# KiCad board FrontEnd_5G.kicad_pcb (continued)
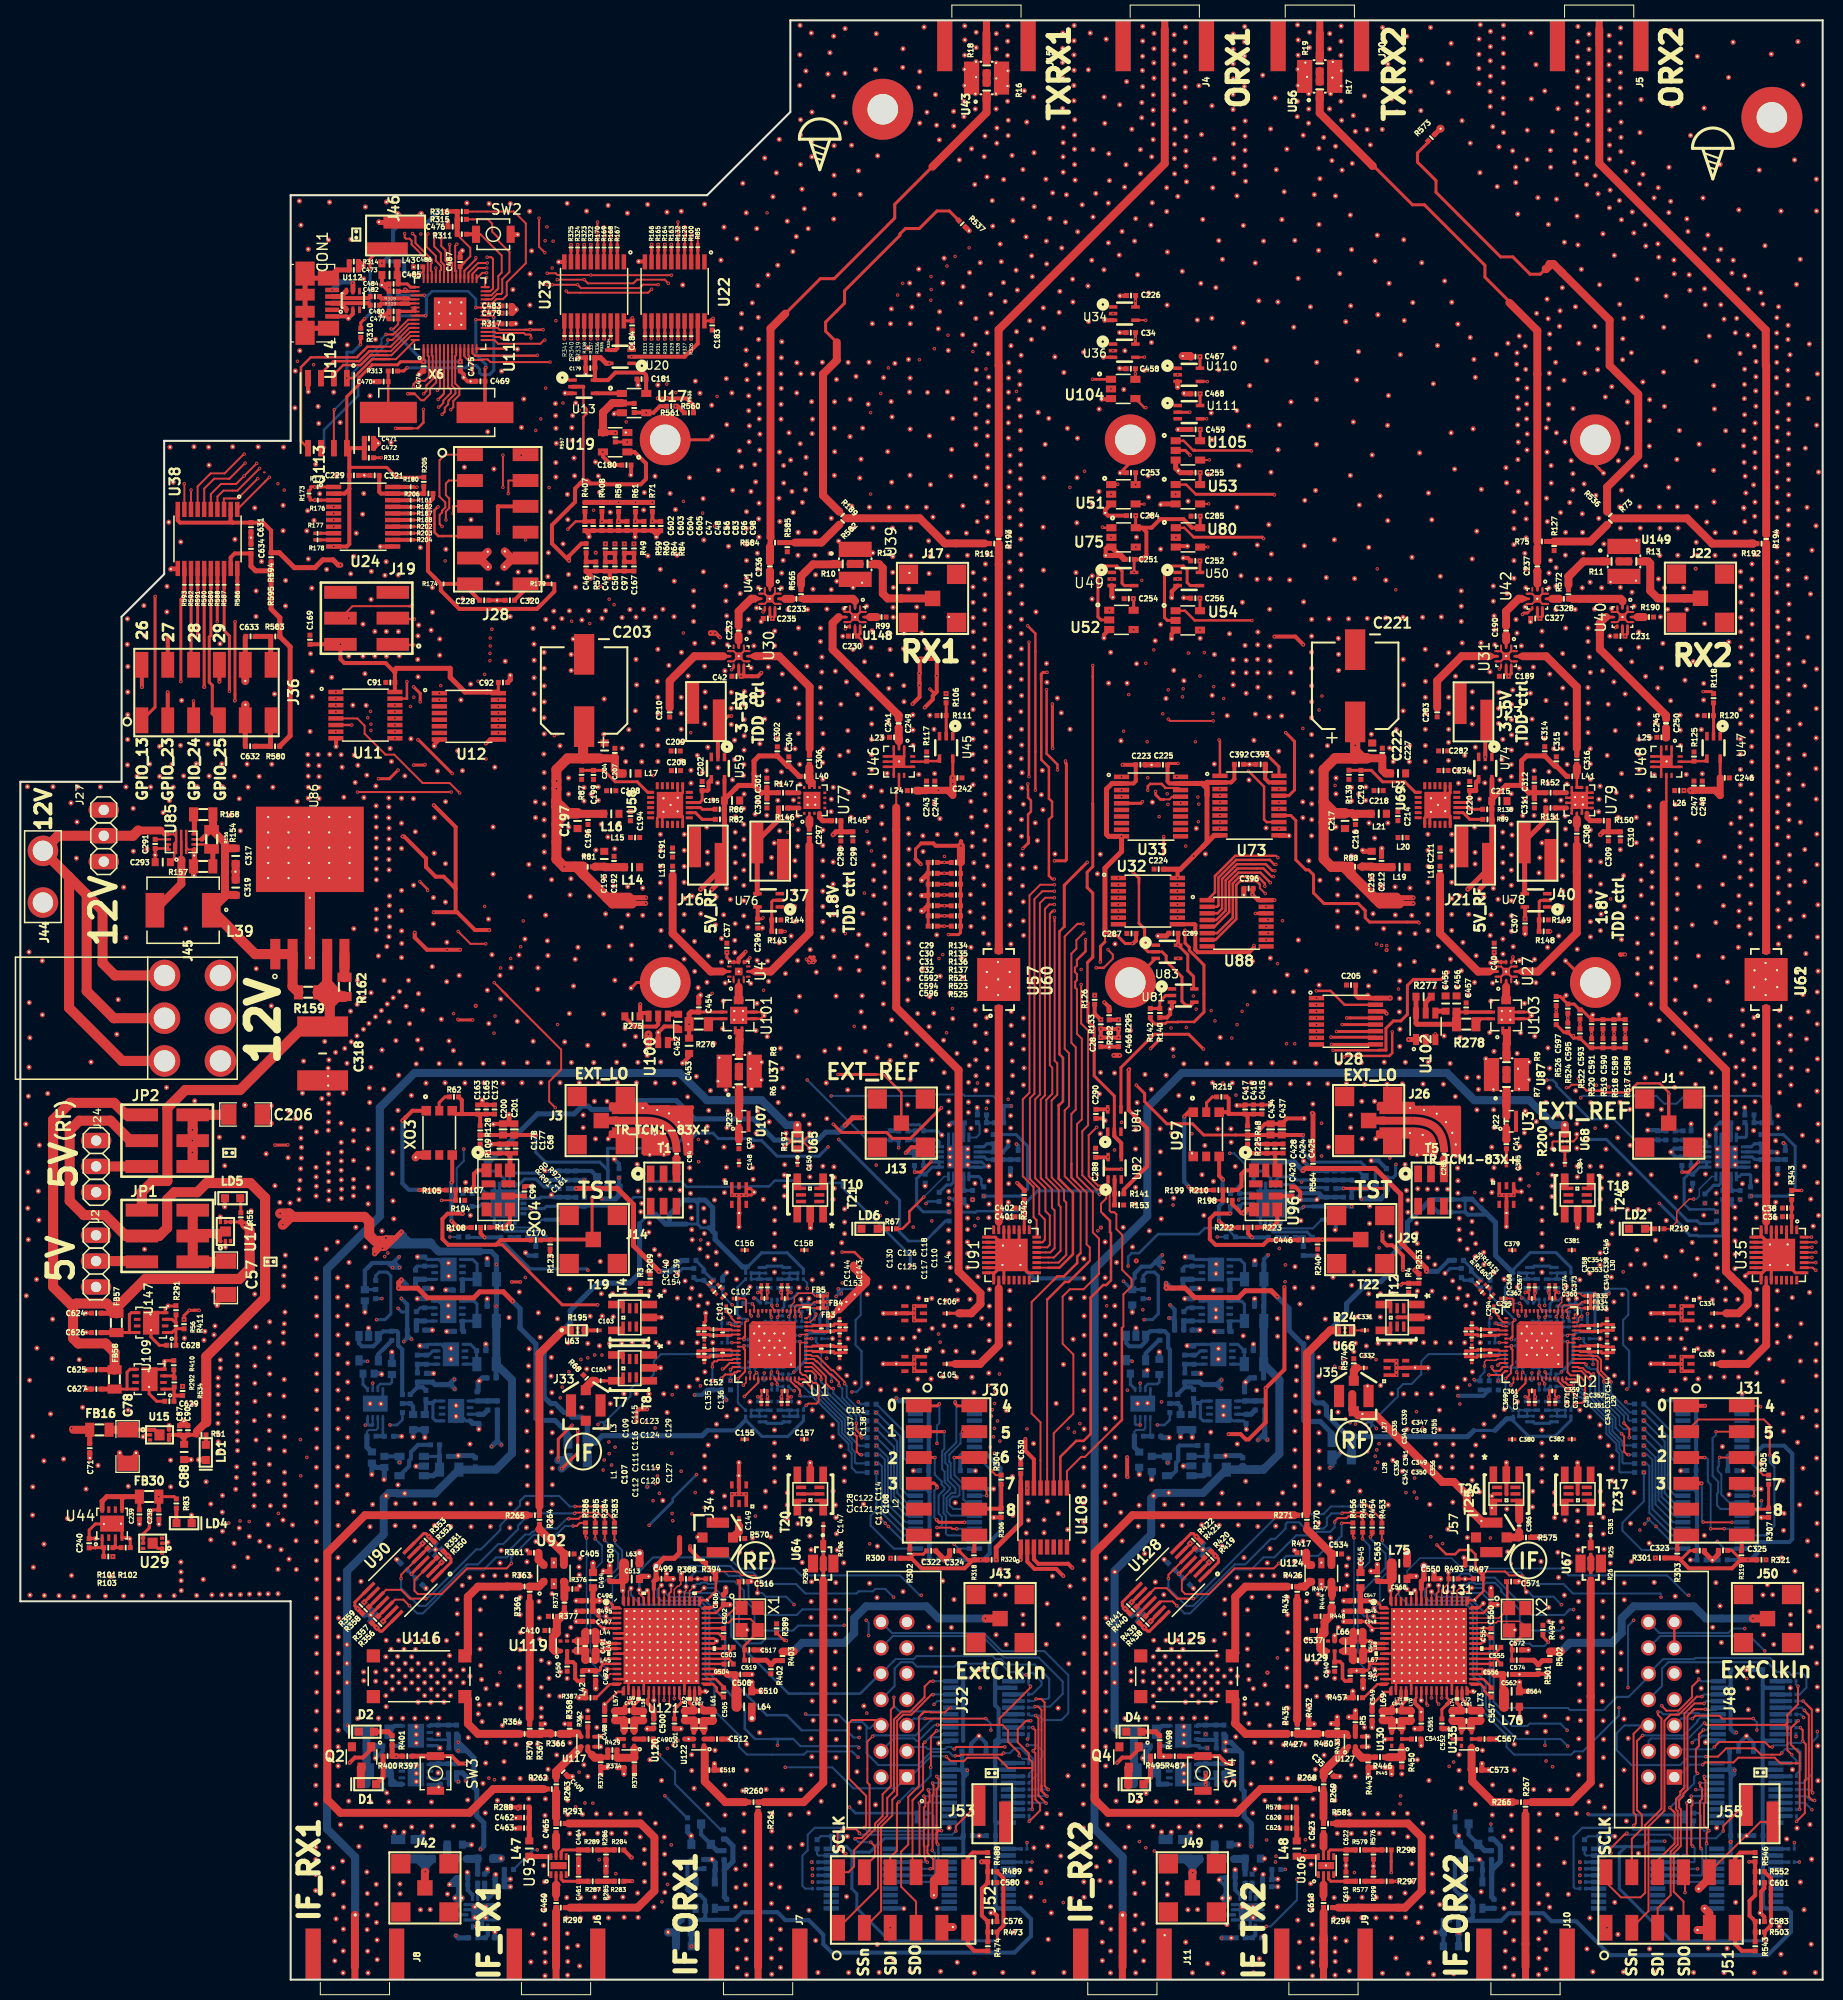
[diagram p0: board, top side]
## Routing (per net, layer and track width the routed paths; a pad name or vN(x,y) marks a point on that pad's centre or on a via; arc(x,y) is an arc through that point) (continued)
/Clocks/VCXO_OUT: length 90.4
  F.RO w0.25: v2(82.75,70.76) 82,71.51 v2(80.78,71.51)
  F.RO w0.3: v2(55.79,69.73) 55.78,69.74 55.77,69.74
  F.RO w0.4: v2(121.07,72.95) 120.68,73.34 R222.2 ; v2(45.63,72.95) 45.24,73.34 R110.2
  F.FR4 w0.2: 64.4,71.1 66.86,71.1 67.46,71.7
  F.FR4 w0.25: v2(80.78,71.51) 80.68,71.51 80.13,72.06 78.86,72.06 78.26,71.46 70.74,71.46 70.08,72.12 68.24,72.12 ; v2(82.75,70.76) 89.27,70.76 90.62,69.41 93.54,69.41 93.84,69.71 94.31,69.71 95.86,71.26 103.45,71.26 103.72,71.53 105.65,71.53 107.44,69.74 108.5,69.74 v2(108.9,70.14)
  F.FR4 w0.3: 64.4,71.1 63.18,72.32 62.1,72.32 61.45,71.67 61.26,71.67 59.32,69.73 v2(55.79,69.73) ; 67.46,71.7 67.82,71.7 68.24,72.12
  B2.RO w0.25: R228.1 118.57,73.87 116.44,73.87 115.85,73.28 111.84,73.28 109.97,71.41 109.24,71.41 108.9,71.07 v2(108.9,70.14)
  B2.RO w0.3: R228.1 119.49,72.95 v2(121.07,72.95) ; v2(45.63,72.95) 44.05,72.95 R80.1 ; v2(55.79,69.73) 55.66,69.86 50.12,69.86 47.24,72.74 C100.2
  B2.RO w0.4: v2(121.07,72.95) 122.7,72.95 ; C100.2 v2(45.63,72.95)
/Clocks/VCXO_PWR_FILTER: length 119.4
  F.RO w0.3: v2(109.7,87.92) 110.52,87.1 110.52,86.31 112.71,84.12 115.23,84.12 116.33,83.02 R48.1 ; 90.54,85.69 v2(90.55,85.69) 90.51,85.69 87.51,82.69 85.73,82.69 85.15,83.27 80.73,83.27 v2(79.92,84.08)
  F.RO w0.4: v2(50.67,83.03) 50.66,83.02 C201.1 C200.1 47.45,83.02 R128.1 ; R48.1 122.9,83.02 122.91,83.03 123.99,83.03 124,83.02 v2(126.1,83.02)
  F.FR4 w0.25: 95.42,88.97 94.83,88.97 94.25,89.55 93.83,89.55 93.22,88.94 92.94,88.94
  F.FR4 w0.3: 95.42,88.97 95.9,89.45 97.97,89.45 98.57,88.85 103.53,88.85 104.64,87.74 106.44,87.74 107.32,86.86 109.03,86.86 109.7,87.53 v2(109.7,87.92) ; 92.94,88.94 91.87,87.87 91.87,87.46 91.43,87.02 90.85,87.02 90.85,86.9 90.55,86.6 v2(90.55,85.69)
  B.FR4 w0.3: v2(79.4,81.84) 79.92,82.36 v2(79.92,84.08)
  B2.RO w0.3: v2(126.1,83.02) 126.1,81.33 127.07,80.36 131.77,80.36 132.37,79.76 133,79.76 133.19,79.57 133.2,79.57 133.2,77.83 ; FB52.2 133.2,77.83 C436.1 132,77.69 R235.2 ; C160.1 56.7,77.83 FB29.2 ; v2(50.67,83.03) 50.67,81.32 51.63,80.36 56.96,80.36 57.76,79.56 FB29.2 ; v2(79.4,81.84) 78.5,80.94 74.4,80.94 72.85,82.49 72.08,82.49 71.9,82.67 68.62,82.67 68.09,83.2 66.53,83.2 66.01,82.68 65.1,82.68 64.13,81.71 57.73,81.71 57.73,80.56 57.76,80.52 FB29.2
  B2.RO w0.4: R235.2 130.88,76.91 R236.2 ; R115.2 55.43,77.68 R116.2 55.58,77.83 C160.1
/DATA1: length 124.9
  F.RO w0.4: v2(98.8,53.14) 98.8,51.98 99.64,51.15 U108.14 ; v1(45.76,121.5) 46.15,121.9 U12.9 ; v1(44.77,95.72) 44.76,95.72
  F.FR4 w0.3: 65.84,92.94 65.84,92.97 64.93,92.97 63.65,94.25 59.73,94.25 58.26,95.72 58.08,95.72
  F.FR4 w0.4: 65.84,92.94 66.06,92.72 70.71,92.72 72.11,94.12 72.63,94.12 73.05,93.7 v1(81.97,93.7) ; v2(90.42,62.66) 93.91,62.66 94.71,61.86 97.23,61.86 100.2,58.89 100.2,54.54 v2(98.8,53.14) ; 58.08,95.72 v1(44.77,95.72)
  B.FR4 w0.3: 82.04,81.02 82.04,80.46
  B.FR4 w0.4: v1(81.97,93.7) 82.04,93.63 82.04,81.02 ; v1(45.76,121.5) 44.76,120.5 44.76,104.93 45.03,104.66 45.03,101.19 45.17,101.05 45.17,97.54 44.76,97.13 44.76,95.73 v1(44.77,95.72) ; 82.04,80.46 83.6,78.9 83.6,72.95 88.98,67.57 88.98,66.64 89.01,66.61 89.01,63.38 89.73,62.66 v2(90.42,62.66)
/DATA2: length 82.3
  F.RO w0.2: U108.9 102.89,49.99 104.28,51.38 104.65,51.38 107.33,54.06 ; 108.28,64.06 108.43,64.2 108.43,67.35 109.23,68.15 109.23,68.85 108.31,69.77 108.31,73.2 107.74,73.77 107.74,75.23 107.54,75.43 107.23,75.43 107.08,75.58 107.08,77.63 106.81,77.9 106.55,77.9 106.4,78.05 105.94,78.05 105.02,78.97 105.02,83 v2(105.8,83.78)
  F.RO w0.25: 107.33,54.06 108.28,55.02 108.28,64.06 ; v1(134.86,93.16) 134.86,91.08 134.57,90.79 130.23,90.79 130.13,90.69 v1(130.14,90.69)
  F.RO w0.3: v2(108.25,84.27) 108.25,84.26
  F.RO w0.4: v1(134.31,94.95) 134.09,95.18 U28.14
  F.FR4 w0.3: 114.1,90.74 114.12,90.76 127.34,90.76 127.41,90.69 v1(130.14,90.69) ; 114.1,90.74 117.19,90.74 ; 114.1,90.74 114.09,90.75 v2(113.36,90.75) ; v2(108.25,84.27) 107.77,83.78 v2(105.8,83.78)
  B.FR4 w0.25: v1(134.31,94.95) 134.83,94.43 134.83,93.19 v1(134.86,93.16)
  B.FR4 w0.3: v2(113.36,90.75) 108.98,86.37 108.98,85.16 108.25,84.44 v2(108.25,84.27)
/LMS8001_RF/BP_AMP1_3V3: length 89.3
  F.RO w0.4: v2(60.15,9.69) 59.34,9.69 R283.2 ; 98.97,48.31 v2(98.99,48.32) 98.99,48.34 ; v2(100.67,7.73) 100.68,7.73
  F.FR4 w0.3: 74.97,8.38 74.97,8.32
  F.FR4 w0.4: v2(63.07,7.65) 65.02,7.65 65.75,8.38 74.58,8.38 ; 74.58,8.38 74.59,8.38 ; 74.58,8.38 74.97,8.38 ; 74.97,8.32 75.56,7.73 78.8,7.73 79.57,6.96 82.17,6.96 82.94,7.73 ; 92.84,7.6 92.84,7.73 97.32,7.73 97.93,7.12 100.06,7.12 v2(100.67,7.73)
  F.FR4 w0.5: 82.94,7.73 88.05,7.73 89.8,5.98 91.22,5.98 92.84,7.6
  B.FR4 w0.4: v2(63.07,7.65) 62.78,7.94 62.13,7.94 60.87,9.2 60.64,9.2 v2(60.15,9.69) ; v2(98.99,48.32) 99.81,47.5 99.81,40.32 101.59,38.54 101.59,35.91 101.14,35.46 101.14,34.06 101.59,33.61 101.59,27.83 101.36,27.6 101.36,25.7 101.59,25.47 101.59,19.7 101.59,19.88 101.59,19.37 102.1,18.86 102.1,17.37 101.6,16.87 101.6,16.86 101.59,16.85 101.59,14.77 101.96,14.4 101.96,12.97 101.59,12.6 101.59,10.36 101.48,10.25 101.48,8.54 v2(100.67,7.73)
  B2.RO w0.4: v2(98.99,48.32) 98.98,48.32
/LMS8001_RF/BP_AMP2_3V3: length 80.4
  F.RO w0.2: R297.2 v2(135.28,9.67)
  F.RO w0.3: R297.2 v2(135.28,9.67)
  F.RO w0.4: v2(102.53,39.67) 101.83,40.37 99.7,40.37 98.99,41.09 U108.2
  F.FR4 w0.4: v2(102.52,7.58) 103.74,6.36 107.33,6.36 108.02,7.05 110.18,7.05 111.09,6.14 113.86,6.14 117.07,2.93 123.87,2.93 125.68,4.74 128.77,4.74 129.13,5.1 134.88,5.1 135.47,5.69 135.47,6.61 135.28,6.8 v2(135.28,9.67)
  B.FR4 w0.4: v2(102.52,7.58) 102.53,7.59 102.53,8.71 102.74,8.92 102.74,11.38 102.92,11.56 102.92,12.67 102.74,12.85 102.74,15.72 102.93,15.91 102.93,16.6 102.74,16.79 102.74,19.08 102.37,19.45 102.37,21.18 102.74,21.55 102.74,30.19 102.37,30.56 102.37,31.49 102.74,31.86 102.74,37.84 102.53,38.05 v2(102.53,39.67)
/LMS8001_RF/IN_A2_#1: length 1.3
  F.RO w0.3: L3.2 67.18,63.99 C115.2 67.73,64.04 C123.1
/LMS8001_RF/IN_A2_#2: length 1.3
  F.RO w0.3: L27.2 C335.1 142.74,64.04 143.18,64.04 C347.1
/LMS8001_RF/IN_A3_#1: length 1.3
  F.RO w0.3: L3.1 67.18,63.44 C116.1 67.78,63.39 C124.1
/LMS8001_RF/IN_A3_#2: length 1.3
  F.RO w0.3: C348.1 143.22,63.39 142.72,63.39 C335.2 L27.1
/LMS8001_RF/IN_B1_#1: length 1.3
  F.RO w0.3: T8.4 58.6,58.86 57.32,58.86
  F.RO w0.4: 58.6,58.86 T8.4
/LMS8001_RF/IN_B2_#1: length 1.3
  F.RO w0.3: L1.2 67.18,61.79 C111.2 67.78,61.84 C119.1
/LMS8001_RF/IN_B2_#2: length 1.3
  F.RO w0.3: C349.1 143.24,61.84 142.74,61.84 142.68,61.78 142.08,61.78
/LMS8001_RF/IN_B3_#1: length 1.3
  F.RO w0.3: L1.1 67.18,61.24 C112.1 67.73,61.19 C120.1
/LMS8001_RF/IN_B3_#2: length 1.3
  F.RO w0.3: C350.1 143.19,61.19 142.72,61.19 C336.2 L28.1
/LMS8001_RF/IN_C2_#1: length 1.3
  F.RO w0.3: 81.14,61.64 80.59,61.64 80.54,61.59 80.04,61.59 79.91,61.71
/LMS8001_RF/IN_C2_#2: length 1.3
  F.RO w0.3: C351.1 155.49,61.59 155.94,61.59 155.98,61.64 156.59,61.64
/LMS8001_RF/IN_C3_#1: length 1.3
  F.RO w0.3: 81.14,62.19 80.59,62.19 C114.1 79.99,62.24 C122.1
/LMS8001_RF/IN_C3_#2: length 1.3
  F.RO w0.3: C352.1 155.43,62.24 155.93,62.24 C337.2 L29.1
/LMS8001_RF/IN_D2_#1: length 1.3
  F.RO w0.3: 79.91,63.71 79.99,63.79 80.54,63.79 80.59,63.84 L4.2
/LMS8001_RF/IN_D2_#2: length 1.3
  F.RO w0.3: C353.1 155.44,63.79 155.94,63.79 C338.1 L30.2
/LMS8001_RF/IN_D3_#1: length 1.3
  F.RO w0.3: C126.1 80.04,64.44 C118.1 ; L4.1 C110.2
/LMS8001_RF/IN_D3_#2: length 1.3
  F.RO w0.3: C354.1 155.49,64.44 155.93,64.44 C338.2 L30.1
/LMS8001_RF/OUT_A4_#1: length 2.9
  F.RO w0.15: U1.51 U1.51
  F.RO w0.2: C154.1 73.41,67.48 73.47,67.54 73.49,67.54 v2(73.49,67.55) ; C154.1 73.41,67.47 v2(73.49,67.55) ; C154.1 73.41,67.74 C139.1 73.44,67.6 v2(73.49,67.55)
  B2.RO w0.2: v2(73.49,67.55) 73.49,67.87 L7.2
/LMS8001_RF/OUT_A4_#2: length 2.3
  F.RO w0.2: v2(148.91,67.47) 148.88,67.5 148.86,67.49 C362.1 148.86,67.75 C367.1 148.88,67.5 v2(148.91,67.47)
  B2.RO w0.2: v2(148.91,67.47) 149.06,67.62 L31.2
/LMS8001_RF/OUT_A5_#1: length 1.5
  F.RO w0.15: U1.52 U1.52
  F.RO w0.2: C154.2 72.86,67.46 72.78,67.54 v2(72.49,67.54)
  B2.RO w0.2: 72.64,67.98 72.64,67.7 72.48,67.53
/LMS8001_RF/OUT_A5_#2: length 1.5
  F.RO w0.2: v2(147.93,67.54) 148.23,67.54 148.31,67.46 C362.2
  B2.RO w0.2: v2(147.93,67.54) 148.1,67.71 L35.2
/LMS8001_RF/OUT_B1_#2: length 1.6
  F.RO w0.4: 147.34,46.45 T26.4 ; C386.1 147.34,45.17
  F.RO w0.79: T26.4 147.34,46.45 147.34,45.17
/LMS8001_RF/OUT_B4_#1: length 1.8
  F.RO w0.2: 72.75,57.28 72.85,57.39 ; 72.75,57.28 v2(72.48,57.28) 72.75,57.28 ; 72.75,57.28 72.85,57.39 ; 72.85,57.39 C152.1
  B2.RO w0.2: 72.48,57.27 72.66,57.09 72.66,56.82
/LMS8001_RF/OUT_B4_#2: length 1.4
  F.RO w0.2: v2(147.93,57.29) 148.2,57.29 148.31,57.4 C361.1
  B2.RO w0.2: v2(147.93,57.29) 148.12,57.1 L32.2
/LMS8001_RF/OUT_B5_#1: length 3
  F.RO w0.2: 73.4,57.35 73.47,57.28 73.4,57.35 ; 73.4,57.35 C152.2 ; 73.4,57.35 73.45,57.3 v2(73.45,57.3) ; 73.4,57.35 C152.2 ; 73.4,57.35 v2(73.45,57.3) ; C152.2 73.43,57.85 C136.1 73.43,57.28 v2(73.45,57.3)
  B2.RO w0.2: v2(73.45,57.3) 73.45,57 L9.2
/LMS8001_RF/OUT_B5_#2: length 2.9
  F.RO w0.2: 148.92,57.28 148.86,57.34 ; 148.92,57.28 v2(148.93,57.28) ; 148.92,57.28 148.86,57.34 ; 148.86,57.34 C361.2 ; C361.2 148.86,57.36 v2(148.93,57.28) ; C361.2 148.88,57.86 C370.1 148.88,57.23 v2(148.93,57.28)
  B2.RO w0.2: v2(148.93,57.28) 148.93,56.97 L36.2
/LMS8001_RF/OUT_C4_#1: length 3
  F.RO w0.2: 74.86,57.34 74.8,57.28 74.86,57.34 ; 74.86,57.34 C151.1 ; 74.86,57.34 74.81,57.3 v2(74.8,57.3) ; C151.1 74.86,57.36 v2(74.8,57.3) ; C151.1 74.88,57.85 74.88,57.1 C137.1 74.8,57.09 v2(74.8,57.3)
  B2.RO w0.2: v2(74.8,57.3) 74.8,56.98 L6.2
/LMS8001_RF/OUT_C4_#2: length 2.9
  F.RO w0.2: 150.26,57.29 150.31,57.34 ; 150.26,57.29 v2(150.22,57.29) ; 150.26,57.29 150.31,57.34 ; 150.31,57.34 C359.1 ; C359.1 150.31,57.38 v2(150.22,57.29) ; C359.1 150.28,57.84 C371.1 150.28,57.23 v2(150.22,57.29)
  B2.RO w0.2: v2(150.22,57.29) 150.22,56.95 L33.2
/LMS8001_RF/OUT_C5_#1: length 1.8
  F.RO w0.2: C151.2 75.41,57.37 ; 75.41,57.37 75.49,57.28 ; 75.41,57.37 75.49,57.28 ; 75.49,57.28 v2(75.78,57.28) 75.49,57.28
  B2.RO w0.2: 75.77,57.27 75.61,57.11 75.61,56.82
/LMS8001_RF/OUT_C5_#2: length 1.4
  F.RO w0.2: v2(151.23,57.29) 150.94,57.29 150.86,57.38 C359.2
  B2.RO w0.2: v2(151.23,57.29) 151.06,57.12 L37.2
/LMS8001_RF/OUT_D4_#1: length 1.5
  F.RO w0.15: U1.46 U1.46
  F.RO w0.2: C153.1 75.41,67.43 75.52,67.54 v2(75.76,67.54)
  B2.RO w0.2: 75.75,67.53 75.59,67.71 75.59,67.98
/LMS8001_RF/OUT_D4_#2: length 1.4
  F.RO w0.2: v2(151.23,67.54) 150.97,67.54 150.87,67.44 C360.1
  B2.RO w0.2: v2(151.23,67.54) 151.05,67.72 L34.2
/LMS8001_RF/OUT_D5_#1: length 2.9
  F.RO w0.2: C153.2 74.86,67.48 74.8,67.54 74.75,67.54 v2(74.75,67.53) ; C153.2 74.86,67.42 v2(74.75,67.53) ; C153.2 74.86,67.74 C144.1 74.83,67.61 v2(74.75,67.53)
  B2.RO w0.2: v2(74.75,67.53) 74.65,67.63 L12.2
/LMS8001_RF/OUT_D5_#2: length 1.8
  F.RO w0.2: v2(150.25,67.5) 150.27,67.52 150.31,67.48 C360.2 150.31,67.44 v2(150.25,67.5)
  B2.RO w0.2: v2(150.25,67.5) 150.09,67.66 L38.2
/LMS8001_RF/SD_AMP1_3V3: length 80.5
  F.RO w0.4: v2(60.1,12.01) 60.06,12.01 R284.2 ; v2(98.32,41.26) 98.34,41.28 U108.1 ; v2(100.35,9.5) 100.35,9.49
  F.FR4 w0.4: 100.36,9.51 v2(100.35,9.5) 99.73,8.88 91.06,8.88 90.49,9.45 89.1,9.45 88.53,8.88 76.02,8.88 74.75,10.15 70.06,10.15 69.27,9.36 v2(63.62,9.36)
  B.FR4 w0.4: v2(63.62,9.36) 63.1,9.36 62.03,10.43 61.1,10.43 60.1,11.43 v2(60.1,12.01) ; v2(98.32,41.26) 98.32,40.63 99,39.95 99,36.79 100.05,35.74 100.05,32.41 100.79,31.67 100.79,24.26 100.4,23.87 100.4,18.92 98.41,16.93 98.41,15.12 100.35,13.18 100.35,11.4 100.04,11.09 100.04,9.81 v2(100.35,9.5)
/LMS8001_RF/SD_AMP2_3V3: length 75.2
  F.RO w0.3: v2(134.76,10.53) R298.2
  F.RO w0.4: v2(103.41,40.47) 103,40.88 100.06,40.88 99.64,41.31 U108.3
  F.FR4 w0.3: 121.38,7.85 120.44,8.79 116.69,8.79 115.45,7.55
  F.FR4 w0.4: 115.45,7.55 112.26,7.55 112.01,7.8 108.44,7.8 108.12,8.12 106.14,8.12 105.4,7.39 104.02,7.39 v2(103.39,8.02) ; v2(134.76,10.53) 134.76,10.27 134.35,9.86 134.35,9.16 134.04,8.85 127.56,8.85 127.41,8.7 126.65,8.7 125.8,7.85 121.38,7.85
  B.FR4 w0.4: 103.65,20.53 103.65,8.28 v2(103.39,8.02) ; 103.65,20.53 103.64,20.54 ; 103.65,20.53 103.65,30.47 103.75,30.57 103.75,37.89 103.86,38 103.86,40.02 v2(103.41,40.47)
/LMS8001_RF/sheet6298A0DD/RF_IN: length 10.2
  F.RO w0.3: 128.12,5.38 128.11,5.39 C618.2
  F.RO w0.79: 128.1,3.77 128.11,3.78 128.11,4.04 ; 128.11,4.04 128.11,6.61 ; 128.11,4.04 128.11,1.28 J9.1 ; 128.11,4.31 128.11,1.48 128.1,1.47
/LMS8001_RF/sheet6298A0DD/RF_OUT: length 3.4
  F.RO w0.5: R268.1 128.1,18.71 128.1,18.36 ; C623.1 128.1,15.92
  F.RO w0.79: 128.1,18.36 128.1,15.92
/LMS8001_RF/sheet62981941/RF_IN: length 12.1
  F.RO w0.5: J6.1 52.67,1.28 C460.2 ; C460.2 52.66,6.84 52.67,6.85 C460.2 ; C460.2 52.67,6.69 52.66,6.68
  F.RO w0.79: J6.1 52.66,6.68
/LMS8001_RF/sheet62981941/RF_OUT: length 3.4
  F.RO w0.5: C465.1 52.69,15.38 52.69,15.93 ; R262.1 52.69,18.39
  F.RO w0.79: 52.69,15.93 52.66,15.96 52.66,18.36 52.69,18.39
/LMS98001_GPIO/CORE_LDO_EN_#1: length 18
  F.RO w0.2: v2(71.86,65.23) 71.73,65.36 U1.55
  F.RO w0.4: v2(61.5,68.39) 61.5,68.39 ; v2(61.5,68.39) 61.85,68.39 R209.1 R3.2 61.44,68.45 v2(61.5,68.39)
  F.FR4 w0.2: 71.85,65.22 71.55,65.53 69.75,65.53 65.97,69.31 65.23,69.31 65.23,69.29 64.31,68.38
  F.FR4 w0.25: v2(61.5,68.39) 60.88,67.77 60.88,67.39 61.26,67.01 63.61,67.01 64.32,67.72 64.32,68.39
/LMS98001_GPIO/CORE_LDO_EN_#2: length 17.5
  F.RO w0.2: v2(147.31,65.23) 147.18,65.36 U2.55
  F.RO w0.3: 135.73,68.3 v2(135.72,68.29) 135.88,68.45 R4.2 136.53,68.39 137.43,68.39 R253.1
  F.RO w0.4: R253.1 R4.2
  F.FR4 w0.2: v2(147.31,65.23) 147,65.54 145.21,65.54 141.43,69.32 140.69,69.32 139.61,68.24 137.28,68.24 137.11,68.41 136.72,68.41 136.77,68.41 136.29,68.41 136.17,68.29 v2(135.72,68.29)
/LMS98001_GPIO/GPIO0_#1_OUT: length 20.4
  F.RO w0.15: J30.1 89.83,56.4
  F.RO w0.3: v2(90.34,56.6) 90.14,56.4 J30.1
  B.FR4 w0.2: v2(91.79,42.8) 91.79,42.81 90.89,43.71 90.89,51.35 90.1,52.14 v2(90.1,52.71)
  B2.RO w0.2: U25.20 92.22,42.37 v2(91.79,42.8) ; v2(90.34,56.6) 90.34,54.7 90.1,54.46 v2(90.1,52.71)
/LMS98001_GPIO/GPIO0_#2_OUT: length 18.8
  F.RO w0.2: v2(166.81,43.07) 166.81,43.06
  F.RO w0.4: J31.1 v2(165.61,56.4)
  B.FR4 w0.2: 165.84,56.4 166.1,56.14 166.1,53.51 166.4,53.21 166.4,50.68 166.81,50.27 v2(166.81,43.07)
  B.FR4 w0.4: v2(165.61,56.4) 165.84,56.4 165.98,56.26
  B2.RO w0.2: 166.79,43.07 v2(166.81,43.07) 167.52,42.37 U71.20
/LMS98001_GPIO/GPIO1_#1_OUT: length 16.1
  F.RO w0.3: J30.2 v2(90.82,53.86)
  B2.RO w0.2: v2(90.82,53.86) 90.82,52.16 90.62,51.96 90.62,50.16 90.86,49.92 90.86,48.89 91.36,48.39 91.36,48.19 90.75,47.58 90.75,45.85 90.99,45.61 90.99,43.84 91.16,43.67 U25.18
/LMS98001_GPIO/GPIO1_#2_OUT: length 23.2
  F.RO w0.2: v2(171.97,51.57) 171.97,54.48 171.39,55.06 164.96,55.06 J31.2
  B2.RO w0.2: 172.43,50.4 172.43,44.62 171.47,43.67 U71.18 ; 172.43,50.4 171.97,50.86 ; 172.43,50.4 171.97,50.86 ; 171.97,50.86 v2(171.97,51.57)
/LMS98001_GPIO/GPIO2_#1_OUT: length 13.3
  F.RO w0.2: v2(90.1,44.44) 90.11,44.43 91.48,44.43 91.6,44.31 92.04,44.31
  F.RO w0.3: 92.04,44.31 v2(92.05,44.32) ; J30.3 v2(89.9,51.32)
  B2.RO w0.2: v2(89.9,51.32) 89.89,51.31 89.89,49.64 90.56,48.97 90.56,48.68 90.84,48.4 90.84,48.18 90.27,47.61 90.27,45.82 90.6,45.49 90.6,44.67 90.37,44.44 v2(90.1,44.44) ; v2(92.05,44.32) 92.06,44.31 U25.17
/LMS98001_GPIO/GPIO2_#2_OUT: length 13.9
  F.RO w0.2: v2(167.49,44.32) v2(166.16,44.32) ; v2(165.56,51.32) 165.56,51.31 ; J31.3 165.33,51.32
  F.RO w0.3: J31.3 163.73,51.35 J31.3 ; J31.3 v2(165.56,51.32)
  B2.RO w0.2: v2(167.49,44.32) 167.5,44.31 U71.17 ; v2(166.16,44.32) 166.16,48.67 165.88,48.95 165.88,51.16 165.72,51.32 v2(165.56,51.32)
/LMS98001_GPIO/GPIO3_#1_OUT: length 11.2
  F.RO w0.2: 89.82,48.78 89.83,48.77
  F.RO w0.3: v2(92.81,44.95) 90.31,44.95 v2(90.06,45.2) ; 89.82,48.78 J30.4 88.13,48.8 89.83,48.8 90.11,48.52 v2(90.11,48.35)
  B2.RO w0.2: v2(92.81,44.95) 92.83,44.97 93.79,44.97 ; v2(90.11,48.35) 89.85,48.09 89.85,45.41 v2(90.06,45.2)
/LMS98001_GPIO/GPIO3_#2_OUT: length 9.2
  F.RO w0.2: v2(165.42,44.98) 165.45,44.95 v2(168.25,44.95)
  F.RO w0.4: J31.4 v2(165.26,48.78)
  B2.RO w0.2: v2(168.25,44.95) 168.27,44.97 169.23,44.97 ; v2(165.26,48.78) 165.29,48.75 165.29,45.11 v2(165.42,44.98)
/LMS98001_GPIO/GPIO4_#1_OUT: length 17.3
  F.RO w0.3: v2(91.89,56.79) 91.89,56.61 92.1,56.4 J30.7
  B2.RO w0.2: U25.15 91.46,45.62 91.05,46.02 91.05,47.35 91.55,47.85 91.92,47.85 91.92,48.31 91.16,49.07 91.16,50.55 90.92,50.79 90.92,51.71 92,52.79 92,56.68 v2(91.89,56.79)
/LMS98001_GPIO/GPIO4_#2_OUT: length 15.4
  F.RO w0.2: 169.2,56.38 J31.7 170.97,56.4 v2(171.06,56.31)
  B.FR4 w0.2: v2(171.06,56.31) 171.38,55.99 171.38,54.52 172.63,53.27 172.63,48.22 171.48,47.07 v2(171.15,47.07)
  B2.RO w0.2: U71.15 170.17,45.62 171.15,46.6 v2(171.15,47.07)
/LMS98001_GPIO/GPIO5_#1_OUT: length 12.7
  F.RO w0.2: v2(92.62,53.85) 92.63,53.86 J30.8
  B2.RO w0.2: U25.14 91.69,46.27 91.35,46.61 91.35,47.19 91.64,47.48 92.16,47.48 92.32,47.64 92.32,48.48 91.46,49.34 91.46,50.76 91.31,50.91 91.31,51.6 92.42,52.71 92.42,53.65 v2(92.62,53.85)
/LMS98001_GPIO/GPIO5_#2_OUT: length 12.8
  F.RO w0.2: J31.8 166.7,53.86 v2(166.69,53.85)
  B2.RO w0.2: v2(166.69,53.85) 166.69,53.56 166.35,53.22 166.35,49.51 166.9,48.96 166.9,47.87 166.79,47.76 166.79,46.62 167.15,46.27 U71.14
/LMS98001_GPIO/GPIO6_#1_OUT: length 7.7
  F.RO w0.3: J30.9 v2(91.81,51.32)
  B2.RO w0.2: v2(91.81,51.32) 91.82,51.33 91.82,49.6 92.7,48.72 92.7,47.21 93,46.92 U25.13
/LMS98001_GPIO/GPIO6_#2_OUT: length 8.7
  F.RO w0.2: 168.95,51.32 J31.9 167.06,51.32 v2(167.05,51.33)
  B2.RO w0.2: v2(167.05,51.33) 166.96,51.24 166.96,50.46 166.85,50.35 166.85,50.01 167.2,49.66 167.2,47.69 167.97,46.92 U71.13
/LMS98001_GPIO/GPIO7_#1_OUT: length 3.2
  F.RO w0.2: v2(94.99,47.57) 94.98,47.58 94.98,48.05 94.25,48.78 J30.10
  B2.RO w0.2: v2(94.99,47.57) 94.99,47.56 93.79,47.56
/LMS98001_GPIO/GPIO7_#2_OUT: length 3.2
  F.RO w0.2: J31.10 169.69,48.78 170.42,48.05 v2(170.42,47.57)
  B2.RO w0.2: v2(170.42,47.57) 169.24,47.57 169.23,47.56
  B2.RO w0.4: 169.23,47.56 169.24,47.56
/LMS98001_GPIO/GPIO8_#1: length 7.7
  B2.RO w0.2: U70.1 87.09,51.06 86.85,51.29 86.85,53.87 84.16,56.56 R212.1
/LMS98001_GPIO/GPIO8_#1_OUT: length 3.2
  F.RO w0.2: v2(95.45,50.03) 95.89,49.59 R304.2
  B2.RO w0.2: v2(95.45,50.03) 94.43,51.06 U70.20
/LMS98001_GPIO/GPIO8_#2: length 8.4
  B2.RO w0.2: 162.69,51.06 U72.1 162.53,51.06 162.29,51.29 162.29,53.88 R256.1
/LMS98001_GPIO/GPIO8_#2_OUT: length 3.2
  F.RO w0.2: v2(170.89,50.03) 171.33,49.59 R305.2
  B2.RO w0.2: v2(170.89,50.03) 169.87,51.06 U72.20
/LMS98001_GPIO/LMS_GPIO0_#1: length 14.4
  F.RO w0.2: 75.73,59.01 75.73,58.81 76.23,58.31 76.21,58.33 76.26,58.33 76.58,58.01 76.58,57.96 76.64,57.9 v2(76.64,57.42)
  B2.RO w0.2: 80.88,53.21 80.44,53.64 80.44,54.74 77.86,57.32 76.74,57.32 v2(76.64,57.42) ; 80.88,53.21 81.41,52.67 ; 80.88,53.21 81.41,52.67 ; 81.41,52.67 81.41,52.06 81.73,51.74 81.73,50.31 82.18,49.86 R250.2
/LMS98001_GPIO/LMS_GPIO0_#2: length 13.7
  F.RO w0.2: v2(152.88,57.42) 152.22,58.08 151.94,58.08 151.74,58.29 151.74,58.25 151.18,58.81 U2.26
  B2.RO w0.2: R281.2 158.63,49.86 R281.2 ; R281.2 157.27,49.86 157.18,49.95 157.18,51.72 156.89,52.01 156.89,52.67 155.9,53.66 155.9,54.76 153.4,57.26 153.05,57.26 152.88,57.43 v2(152.88,57.42)
/LMS98001_GPIO/LMS_GPIO1_#1: length 12.6
  F.RO w0.2: 76.13,59.01 76.13,58.89 76.31,58.71 76.44,58.71 76.55,58.61 ; 76.55,58.61 76.62,58.53 ; 76.55,58.61 76.62,58.53 ; 76.62,58.53 76.74,58.53 ; 76.62,58.53 76.74,58.53 ; 76.74,58.53 v2(76.82,58.45) 76.74,58.53
  B2.RO w0.2: 78.33,57.3 80.75,54.88 80.75,53.75 81.73,52.77 81.73,52.16 82.04,51.85 82.04,50.85 82.15,50.74 R249.2 ; 78.33,57.3 78.33,57.31 ; 78.33,57.3 77.93,57.7 77.57,57.7 v2(76.82,58.45)
/LMS98001_GPIO/LMS_GPIO1_#2: length 12.4
  F.RO w0.2: 152,58.61 151.89,58.71 151.76,58.71 151.58,58.89 U2.27 ; 152,58.61 152.07,58.53 152.05,58.55 ; 152,58.61 152.05,58.55 ; 152.05,58.55 152.16,58.44 v2(152.66,58.44)
  B2.RO w0.2: R280.2 157.6,50.74 157.48,50.86 157.48,51.84 157.19,52.13 157.19,52.79 156.21,53.77 156.21,54.9 153.39,57.72 153.27,57.72 152.66,58.33 v2(152.66,58.44)
/LMS98001_GPIO/LMS_GPIO2_#1: length 11.5
  F.RO w0.2: U1.29 U1.29 77.79,59.81 78.17,59.44 v2(78.17,59.13) ; v2(81.96,53.66) 82.22,53.4 82.22,51.89 82.52,51.59 v2(82.66,51.59)
  B2.RO w0.2: v2(81.96,53.66) 81.39,54.23 81.35,54.23 81.35,55.15 78.55,57.95 78.55,58.27 78.17,58.65 v2(78.17,59.13) ; v2(82.66,51.59) 82.67,51.6 R248.2
/LMS98001_GPIO/LMS_GPIO2_#2: length 11.7
  F.RO w0.2: v2(157.4,53.66) 157.66,53.4 157.66,51.89 157.96,51.59 v2(158.1,51.59) ; v2(154.32,59.04) 154.23,59.04 153.46,59.81 U2.29
  B2.RO w0.2: v2(157.4,53.66) 156.81,54.25 156.81,55.19 154.32,57.68 v2(154.32,59.04) ; v2(158.1,51.59) 158.11,51.6 R279.2
/LMS98001_GPIO/LMS_GPIO3_#1: length 10.2
  F.RO w0.2: 76.53,59.01 77.06,59.01 77.38,58.69 77.38,58.57 v2(77.78,58.17)
  B2.RO w0.2: 83.19,52.49 83.22,52.46 ; R247.2 82.45,52.48 81.05,53.88 81.05,55.03 78.15,57.93 77.91,58.17 v2(77.78,58.17)
/LMS98001_GPIO/LMS_GPIO3_#2: length 10.6
  F.RO w0.2: v2(153.23,58.59) 152.81,59.01 152.08,59.01 U2.28
  B2.RO w0.2: R274.2 158.66,52.51 157.49,52.51 157.49,52.92 156.51,53.9 156.51,55.05 153.56,58 153.58,57.98 153.23,58.33 v2(153.23,58.59)
/LMS98001_GPIO/LMS_GPIO4_#1: length 10.6
  F.RO w0.2: v2(82.7,53.26) 82.52,53.44 82.52,53.66 82.18,54 v2(82.18,54.69) ; U1.31 77.83,60.61 77.87,60.57 77.91,60.57 79.18,59.3 79.18,58.62 79.7,58.1 v2(79.92,58.1)
  B2.RO w0.2: v2(82.18,54.69) 82.18,55.39 80.41,57.16 80.41,57.15 79.92,57.64 v2(79.92,58.1) ; 83.23,53.26 v2(82.7,53.26)
/LMS98001_GPIO/LMS_GPIO4_#2: length 11.2
  F.RO w0.2: U2.31 U2.31 153.77,60.61 v2(153.91,60.47) ; v2(158.16,53.28) 158.16,54.15 157.64,54.67 v2(157.64,54.71)
  B2.RO w0.15: 158.69,53.28 R273.2
  B2.RO w0.2: v2(158.16,53.28) 158.69,53.28 ; v2(157.64,54.71) 157.64,55.41 155.18,57.87 155.18,59.75 154.93,60 154.37,60 154.21,60.16 154.21,60.17 154.06,60.17 153.92,60.31 153.92,60.47 v2(153.91,60.47)
/LMS98001_GPIO/LMS_GPIO5_#1: length 9.6
  F.RO w0.2: U1.30 U1.30 77.82,60.21 78.72,59.31 v2(78.72,59.02)
  B2.RO w0.15: 82.15,54.09 81.73,54.51 81.73,55.32
  B2.RO w0.2: 82.15,54.09 R244.2 ; 81.73,55.32 79.37,57.68 79.37,58.07 78.72,58.72 v2(78.72,59.02)
/LMS98001_GPIO/LMS_GPIO5_#2: length 9.9
  F.RO w0.2: v2(154.62,59.53) 154.36,59.53 154.18,59.71 153.98,59.71 153.58,60.11 153.25,60.11 153.15,60.21 U2.30
  B2.RO w0.15: 157.19,55.34 157.19,54.53 157.61,54.11
  B2.RO w0.2: 157.61,54.11 R272.2 ; v2(154.62,59.53) 154.62,59.52 154.81,59.33 154.81,57.72 157.19,55.34
/LMS98001_GPIO/LMS_GPIO6_#1: length 9.5
  F.RO w0.2: U1.32 U1.32 77.99,61.01 78.23,60.77 78.31,60.77 79.6,59.48 79.71,59.48 80.47,58.72 v2(80.47,58.41)
  B2.RO w0.2: v2(80.47,58.41) 80.79,58.09 80.79,57.2 82.58,55.41 82.58,55.02 82.68,54.92 R214.2
/LMS98001_GPIO/LMS_GPIO6_#2: length 10.1
  F.RO w0.2: v2(155.66,58.76) 155.65,58.76 155.65,59.15 155.06,59.74 155.06,60.78 154.86,60.98 154.35,60.98 154.32,61.01 U2.32
  B2.RO w0.2: R258.2 158.14,54.94 158.04,55.04 158.04,55.3 158.03,55.3 158.04,55.31 158.04,55.43 155.66,57.81 v2(155.66,58.76)
/LMS98001_GPIO/LMS_GPIO7_#1: length 9.3
  F.RO w0.15: 78.22,61.29 77.82,61.29 77.69,61.41 U1.33
  F.RO w0.2: 78.22,61.29 78.36,61.29 79.74,59.91 79.87,59.91 81.03,58.75 v2(81.03,58.57) ; U1.33 77.69,61.41
  B2.RO w0.2: v2(81.03,58.57) 81.24,58.36 81.24,57.26 82.75,55.74 R213.2
/LMS98001_GPIO/LMS_GPIO7_#2: length 10
  F.RO w0.2: U2.33 152.58,61.41 153.17,61.41 153.23,61.35 154.41,61.35 154.46,61.3 155.01,61.3 155.38,60.93 155.38,59.84 156.08,59.14 156.08,59.12 156.37,58.83 v2(156.37,58.74)
  B2.RO w0.2: R257.2 158.21,55.76 156.35,57.62 156.35,58.71 156.38,58.74 v2(156.37,58.74)
/LMS98001_GPIO/LMS_GPIO8_#1: length 50.9
  F.RO w0.15: 71.07,58.42 v2(71.08,58.43) 71.33,58.68 U1.15
  F.FR4 w0.25: v2(71.91,42.02) 74.15,42.02 75.11,42.98 81.91,42.98 82.05,42.84 v2(83.49,42.84)
  B.FR4 w0.2: 66.93,44.87 66.85,44.95 66.85,45.86 65.72,46.99 65.72,52.25 ; v2(82.38,56.79) 83.49,55.68 v2(83.49,42.84)
  B.FR4 w0.25: v2(71.91,42.02) 71.53,42.02 70.91,42.64 69.16,42.64 66.93,44.87 ; v2(71.08,58.43) 70.2,57.55 70.2,56.74 69.74,56.28 69.02,56.28 65.72,52.98 65.72,52.25
  B2.RO w0.2: v2(82.38,56.79) 82.61,56.56 R212.2
/LMS98001_GPIO/LMS_GPIO8_#2: length 52.3
  F.RO w0.15: v2(146.52,58.43) 146.77,58.68 146.78,58.68 U2.15
  F.RO w0.25: v2(144.51,43.41) 144.52,43.42
  F.FR4 w0.25: v2(159.2,44.19) 158.19,44.19 157.13,43.13 154.85,43.13 154.55,42.83 148.74,42.83 148.16,43.41 v2(144.51,43.41)
  B.FR4 w0.2: v2(157.82,56.79) 158.37,57.34 159.7,57.34 160.25,56.79 160.25,49.32 159.2,48.27 159.2,45.83 158.95,45.58 158.95,44.44 v2(159.2,44.19) ; 141.6,54.79 144.05,57.24 145.33,57.24 v2(146.52,58.43)
  B.FR4 w0.25: v2(144.51,43.41) 142.96,44.96 142.96,45.19 141.6,46.55 141.6,54.79
  B2.RO w0.2: v2(157.82,56.79) 157.83,56.8 158.04,56.58 R256.2
/RF/DA1/RF_IN: length 3.8
  F.RO w0.3: 70.94,93.29 70.28,93.29 70.69,92.89 70.69,93.03 70.94,93.29